# Altium PCB CONTROLLER_BASE.PcbDoc (part 4 of 7) (continued)
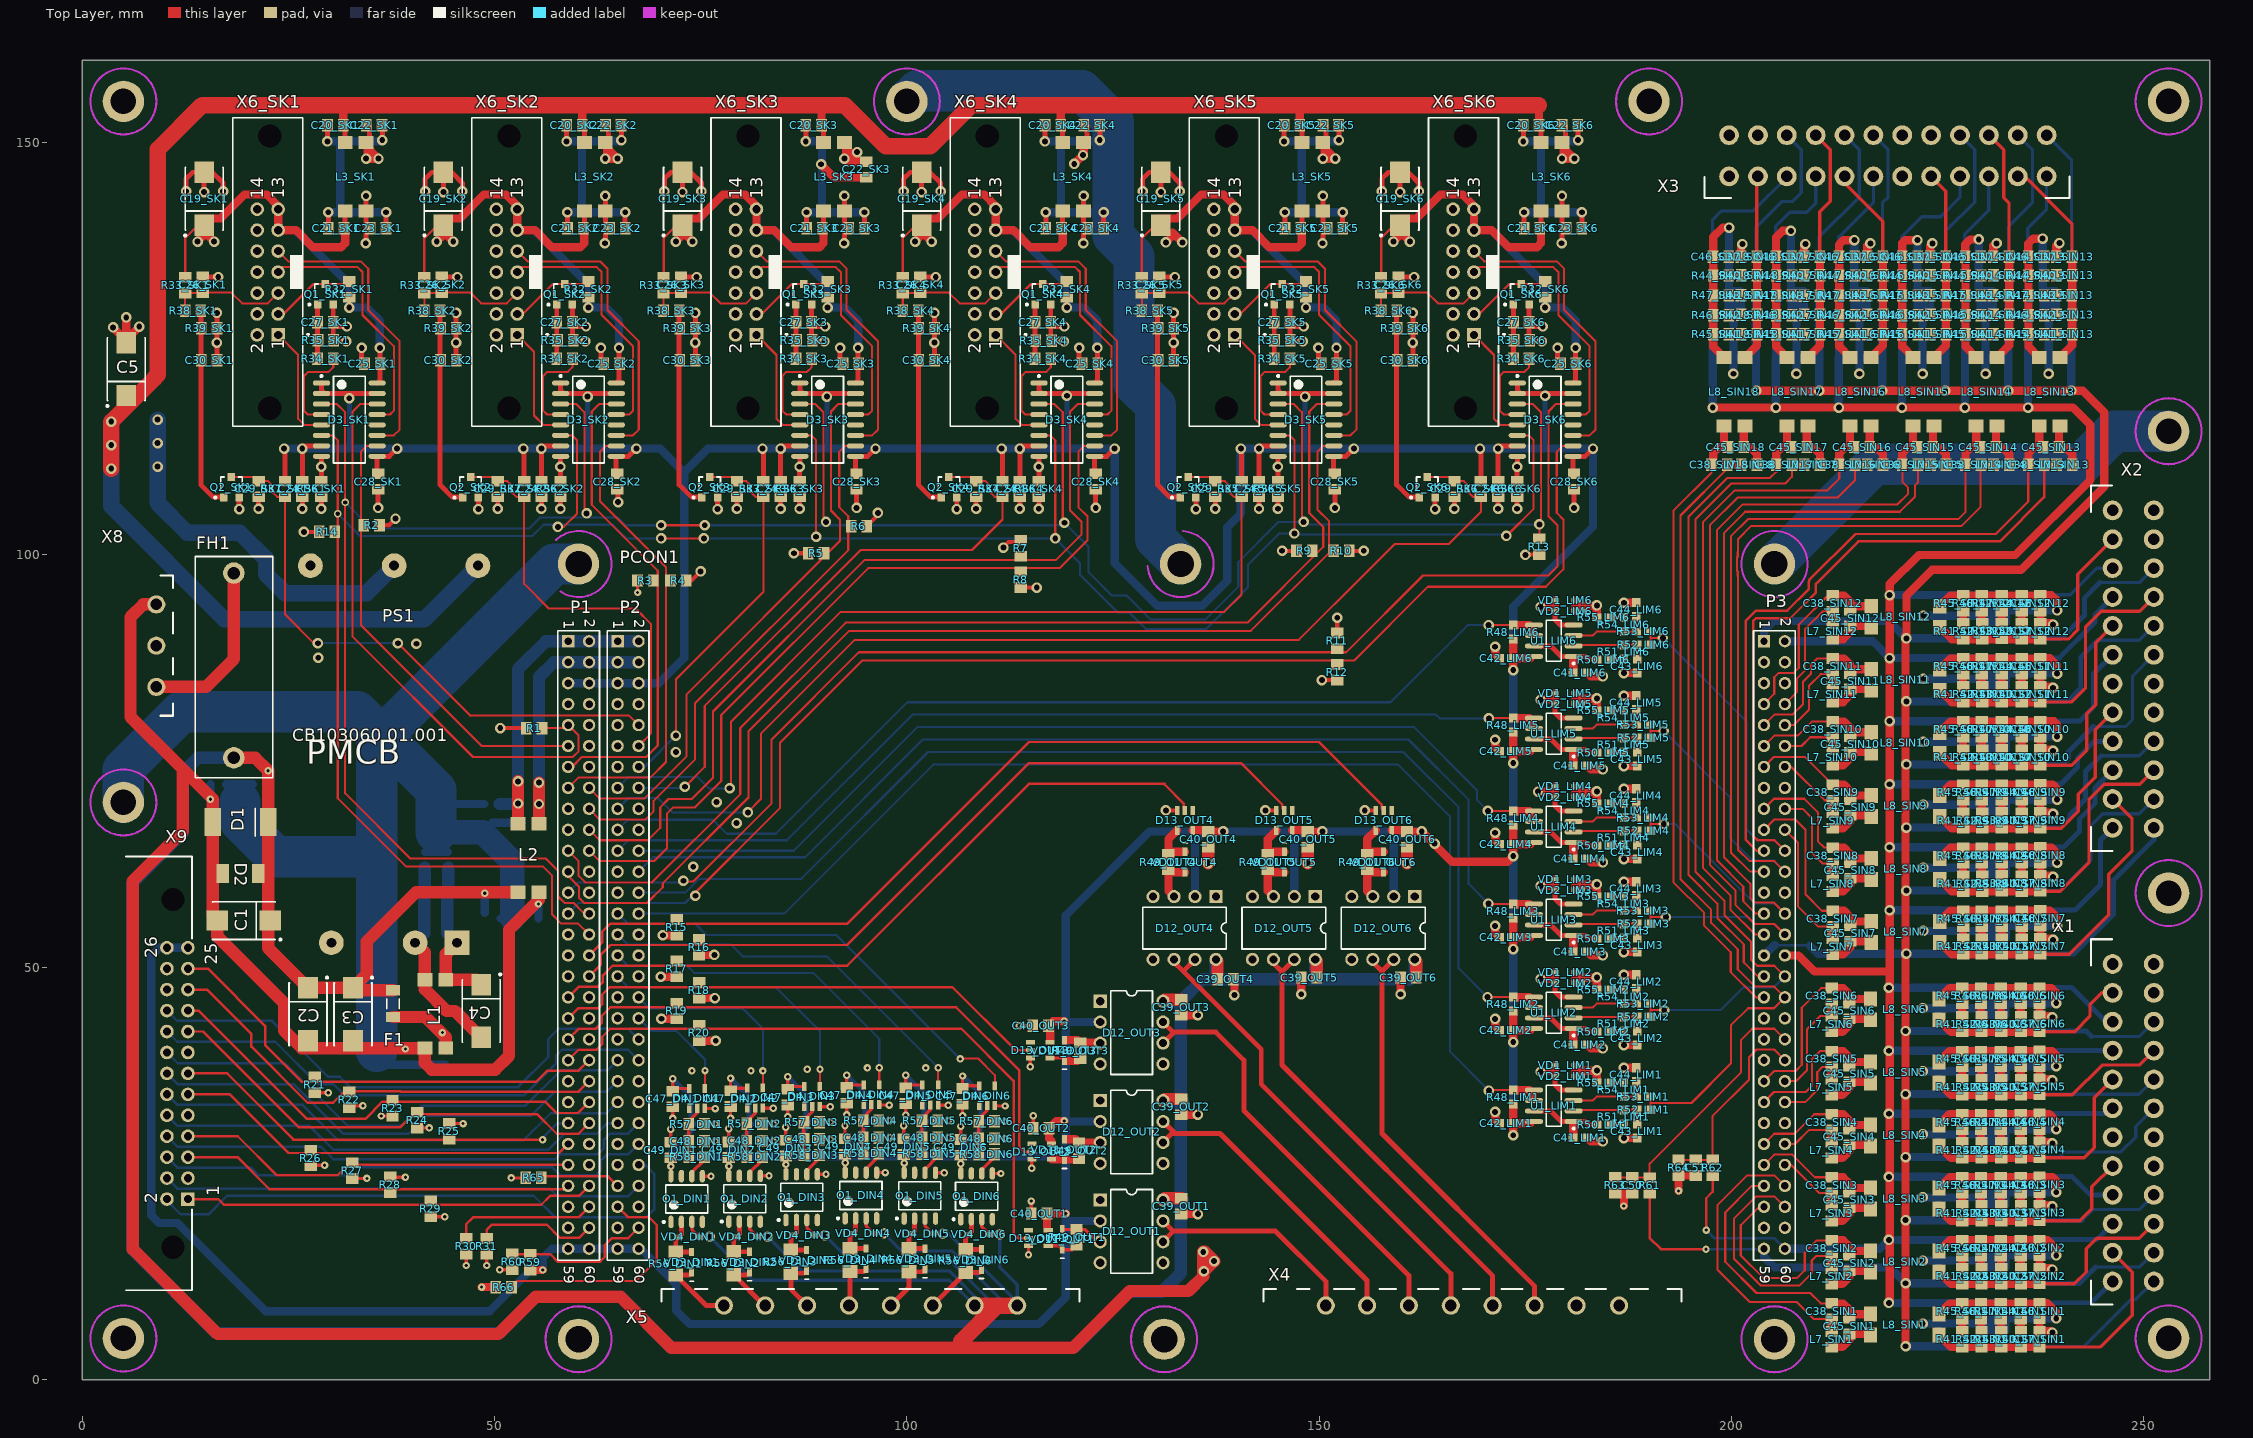
[diagram p0: Top Layer view]
## Nets (pads, with @x,y where several pads share a name; then routed paths per layer and width w, separated by ;. In a path a pad name is that pad's centre, name@x,y a point inside that pad or via, vN(x,y) a via of type N, cw(c..) or ccw(c..) an arc to the next point about the centre after c; other vN are vias at no path point) (continued)
  Top Layer w0.6: C21_SK5.2@147.9,139.75 L3_SK5.4@147.9,141.7 ; D3_SK5.16@151.775,120.845 152.1,121.17 v1(152.1,125.1)
  Top Layer w1: C19_SK5.1@130.4,140.8 132.8,140.8 135.7,143.7 138.4,143.7 139.77,142.33 X6_SK5.13@139.77,141.92 X6_SK5.11@139.77,139.38 141.92,139.38 144,137.3 147.4,137.3 147.9,137.8 C21_SK5.2@147.9,139.75 ; v1(131.407,137.903) 132.207,138.703 ; 132.207,139.103 v1(133.407,137.903)
  Bottom Layer w0.3: X6_SK5.11@139.77,139.23 X6_SK5.11@139.77,139.38
  Bottom Layer w1: X6_SK5.11@139.77,139.38 141.82,139.38 148.4,132.8 v1(148.4,130) 150.5,130 152.1,128.4 v1(152.1,125.1)
15VS_SK6: C19_SK6.1 C21_SK6.2 C25_SK6.2 D3_SK6.16 L3_SK6.4 R32_SK6.2 R33_SK6.2 X6_SK6.11 X6_SK6.13 | length 65.6
  Top Layer w0.3: R33_SK6.2@157.5,133.65 157.5,138.4 C19_SK6.1@159.791,140.691 ; v1(177.4,130) R32_SK6.2@177.4,131.25
  Top Layer w0.6: C21_SK6.2@176.9,139.75 L3_SK6.4@176.9,141.7 ; D3_SK6.16@180.775,120.845 181.1,121.17 v1(181.1,125.1)
  Top Layer w1: v1(159,138) C19_SK6.1@159.8,138.8 ; C19_SK6.1@159.4,140.8 161.8,140.8 164.7,143.7 167.4,143.7 168.77,142.33 X6_SK6.13@168.77,141.92 X6_SK6.11@168.77,139.38 170.92,139.38 173,137.3 176.4,137.3 176.9,137.8 C21_SK6.2@176.9,139.75 ; C19_SK6.1@159.8,139.2 v1(161,138)
  Bottom Layer w0.3: X6_SK6.11@168.77,139.23 X6_SK6.11@168.77,139.38
  Bottom Layer w1: X6_SK6.11@168.77,139.38 170.82,139.38 177.4,132.8 v1(177.4,130) 179.5,130 181.1,128.4 v1(181.1,125.1)
24V_DIN1: R56_DIN1.2 VD3_DIN1.2 X5.1 | length 9.4
  Top Layer w0.6: VD3_DIN1.2@73.914,12.979 73.612,12.677 R56_DIN1.2@71.984,12.677 75.669,8.992 X5.1@77.826,8.992
24V_DIN2: R56_DIN2.2 VD3_DIN2.2 X5.2 | length 7.4
  Top Layer w0.6: VD3_DIN2.2@80.943,13.012 80.64,12.71 R56_DIN2.2@79.012,12.71 82.73,8.992 X5.2@82.826,8.992
24V_DIN3: R56_DIN3.2 VD3_DIN3.2 X5.3 | length 6.8
  Top Layer w0.6: VD3_DIN3.2@87.859,13.208 87.556,12.906 R56_DIN3.2@85.928,12.906 85.928,10.969 X5.3@87.906,8.992
24V_DIN4: R56_DIN4.2 VD3_DIN4.2 X5.4 | length 6
  Top Layer w0.6: X5.4@93.111,9.117 R56_DIN4.2@93.111,13.103 94.739,13.103 VD3_DIN4.2@95.041,13.406
24V_DIN5: R56_DIN5.2 VD3_DIN5.2 X5.5 | length 7.1
  Top Layer w0.6: X5.5@98.066,8.992 100.254,11.18 R56_DIN5.2@100.254,13.083 101.882,13.083 VD3_DIN5.2@102.184,13.386
24V_DIN6: R56_DIN6.2 VD3_DIN6.2 X5.6 | length 7.7
  Top Layer w0.6: X5.6@103.146,8.992 103.146,9.005 R56_DIN6.2@107.137,12.996 108.765,12.996 VD3_DIN6.2@109.068,13.299
24V_DIN7: C1.2 C2.2 C3.2 C12.1 C14.2 C15.2 C39_OUT1.2 C39_OUT2.2 C39_OUT3.2 C39_OUT4.2 C39_OUT5.2 C39_OUT6.2 D1.A D2.1 D12_OUT1.5 D12_OUT2.5 D12_OUT3.5 D12_OUT4.5 D12_OUT5.5 D12_OUT6.5 L1.2 L2.1 O1_DIN1.3 O1_DIN2.3 O1_DIN3.3 O1_DIN4.3 O1_DIN5.3 O1_DIN6.3 VD4_DIN1.1 VD4_DIN2.1 VD4_DIN3.1 VD4_DIN4.1 VD4_DIN5.1 VD4_DIN6.1 X4.7 X4.8 X5.7 X5.8 X8.1 | length 509.6
  Top Layer w0.4: O1_DIN1.3@73.939,19.132 73.939,18.197 VD4_DIN1.1@74.834,17.303 v1(76.104,17.303) ; O1_DIN2.3@80.968,19.164 80.968,18.23 VD4_DIN2.1@81.862,17.335 v1(83.132,17.335) ; O1_DIN3.3@87.884,19.36 87.884,18.426 VD4_DIN3.1@88.778,17.531 v1(90.048,17.531) ; O1_DIN4.3@95.067,19.558 95.067,18.624 VD4_DIN4.1@95.961,17.729 v1(97.231,17.729) ; O1_DIN5.3@102.21,19.538 102.21,18.604 VD4_DIN5.1@103.104,17.709 v1(104.374,17.709) ; O1_DIN6.3@109.093,19.451 109.093,18.517 VD4_DIN6.1@109.987,17.622 v1(111.257,17.622)
  Top Layer w1: C39_OUT1.2@133.254,20.083 v1(135.283,20.083) ; C39_OUT2.2@133.254,32.133 v1(135.283,32.133) ; C39_OUT3.2@133.254,44.183 v1(135.283,44.183) ; v1(139.725,46.634) C39_OUT4.2@139.725,48.6 ; v1(147.82,46.733) C39_OUT5.2@147.82,48.762 ; v1(159.87,46.733) C39_OUT6.2@159.87,48.762
  Top Layer w1.5: X8.1@9,94 7.411,94 5.867,92.456 5.867,80.366 12.217,74.016 ; L2.1@55.4,59.1 55.4,58.194 51.765,54.559 51.765,39.268 50.089,37.592 42.393,37.592 41.56,38.425 L1.2@41.56,40.2 26.627,40.2 24.486,42.342 24.486,45.669 16.402,53.752 C1.2@16.402,55.667 15.85,56.22 D1.A@15.85,67.6 15.85,70.383 12.217,74.016 ; v1(136.019,13.152) 136.044,13.152 v1(137.264,14.371) 136.146,15.488 v1(135.943,15.488) 135.943,12.542 134.145,10.744 127.051,10.744 120.167,3.861 71.45,3.861 65.249,10.062 55.02,10.062 50.495,5.537 16.434,5.537 6.147,15.824 6.147,60.452 12.217,66.523 12.217,74.016
  Top Layer w2: 106.604,4.648 110.947,8.992 ; X5.7@108.226,8.992 110.947,8.992 ; X5.8@113.386,8.992 110.947,8.992
  Bottom Layer w0.4: v1(76.104,17.303) 81.342,12.065 105.152,12.065 X5.7@108.226,8.992 ; v1(83.132,17.335) 87.285,13.183 105.156,13.183 109.347,8.992 109.804,8.534 ; v1(90.048,17.531) 93.102,14.478 105.181,14.478 110.668,8.992 111.049,8.611 ; v1(97.231,17.729) 99.365,15.596 105.537,15.596 112.141,8.992 X5.8@113.386,8.992 X5.8@113.386,9.398 ; v1(104.374,17.709) 105.074,17.709 X5.8@113.386,9.398 ; v1(111.257,17.622) 111.257,13.609 113.386,11.481 X5.8@113.386,9.398
  Bottom Layer w1: v2(15.56,70.368) C14.2@15.56,72.187 ; v2(39.207,40.091) C12.1@41.58,40.091 ; C15.2@55.331,55.931 v2(55.331,57.673)
  Bottom Layer w2: X5.7@108.226,8.992 109.347,8.992 110.668,8.992 112.141,8.992
24V_DOUT1: D12_OUT1.6 D12_OUT1.7 X4.1 | length 27.5
  Top Layer w0.6: D12_OUT1.6@131.064,16.713 131.064,16.753 132.314,18.003 ; D12_OUT1.7@131.064,19.253 132.314,18.003 ; X4.1@150.8,8.992 150.8,11.913 144.709,18.003 132.314,18.003
24V_DOUT2: D12_OUT2.6 D12_OUT2.7 X4.2 | length 37.7
  Top Layer w0.6: D12_OUT2.6@131.064,28.763 132.14,29.839 132.528,29.839 ; D12_OUT2.7@131.064,31.303 132.528,29.839 ; X4.2@155.8,8.992 155.8,12.018 137.978,29.839 132.528,29.839
24V_DOUT3: D12_OUT3.6 D12_OUT3.7 X4.3 | length 51.6
  Top Layer w0.6: D12_OUT3.6@131.064,40.813 132.284,42.033 132.284,42.133 ; D12_OUT3.7@131.064,43.353 132.284,42.133 ; X4.3@160.88,8.992 160.88,12.628 140.868,32.639 140.868,38.735 137.47,42.133 132.284,42.133
24V_DOUT4: D12_OUT4.6 D12_OUT4.7 X4.4 | length 57.9
  Top Layer w0.6: D12_OUT4.6@132.4,50.952 132.4,50.625 133.506,49.519 ; D12_OUT4.7@134.94,50.952 133.506,49.519 ; X4.4@165.96,8.992 165.96,12.856 142.977,35.839 142.977,40.048 133.506,49.519
24V_DOUT5: D12_OUT5.6 D12_OUT5.7 X4.5 | length 55.1
  Top Layer w0.6: D12_OUT5.6@144.45,50.952 144.45,50.502 145.495,49.457 ; D12_OUT5.7@146.99,50.952 145.495,49.457 ; X4.5@171.04,8.992 171.04,12.602 145.495,38.147 145.495,49.457
24V_DOUT6: D12_OUT6.6 D12_OUT6.7 X4.6 | length 52.1
  Top Layer w0.6: D12_OUT6.6@156.5,50.952 156.5,50.634 157.611,49.523 ; D12_OUT6.7@159.04,50.952 157.611,49.523 ; X4.6@176.12,8.992 176.12,11.332 157.611,29.841 157.611,49.523
24VCPU: C18.1 L2.3 PCON1.P1_1 PCON1.P1_2 PCON1.P2_1 PCON1.P2_2 | length 39.6
  Top Layer w1.5: L2.3@52.86,67.4 v1(52.86,69.86) v1(52.86,72.54)
  Bottom Layer w1.5: C18.1@50.658,69.799 v1@52.799,69.799 ; v1(52.86,69.86) v1(52.86,72.54) 52.86,86.16 56.234,89.534 PCON1.P1_1@58.93,89.534 PCON1.P1_2@61.47,89.534 PCON1.P2_1@64.93,89.534 PCON1.P2_2@67.47,89.534
24VINT_OUT1: C1.1 C2.1 C3.1 C10.1 C17.1 C39_OUT1.1 C39_OUT2.1 C39_OUT3.1 C39_OUT4.1 C39_OUT5.1 C39_OUT6.1 D1.K D2.2 D12_OUT1.8 D12_OUT2.8 D12_OUT3.8 D12_OUT4.8 D12_OUT5.8 D12_OUT6.8 F1.1 FH1.2 L2.2 | length 369.2
  Top Layer w1.5: FH1.2@18.4,75.4 21,75.4 v2(22.55,73.85) D1.K@22.55,67.6 22.55,52.343 C2.1@27.391,47.502 C3.1@32.849,47.502 34.5,49.154 34.5,53.1 40.5,59.1 L2.2@52.86,59.1 ; C3.1@33.126,47.225 F1.1@37.7,47.225 ; D12_OUT1.8@131.254,21.983 C39_OUT1.1@133.254,21.983 ; D12_OUT2.8@131.254,34.033 C39_OUT2.1@133.254,34.033 ; D12_OUT3.8@131.254,46.083 C39_OUT3.1@133.254,46.083 ; C39_OUT4.1@137.67,48.762 D12_OUT4.8@137.67,50.762 ; C39_OUT5.1@149.72,48.762 D12_OUT5.8@149.72,50.762 ; C39_OUT6.1@161.77,48.762 D12_OUT6.8@161.77,50.762
  Bottom Layer w1: C10.1@22.55,72.253 v2(22.55,73.85) ; C17.1@48.834,56.617 v2(48.834,58.964)
  Bottom Layer w1.5: FH1.2@18.4,75.4 14,75.4 12.2,73.6 12.2,66.3 6.1,60.2 6.1,15.8 16.236,5.664 50.622,5.664 55.02,10.062 65.3,10.062 71.501,3.861 120.193,3.861 127,10.668 130.947,10.668 133.226,12.947 133.226,21.793 ; D12_OUT1.8@131.064,21.793 133.226,21.793 ; D12_OUT2.8@131.064,33.843 133.226,33.843 ; D12_OUT3.8@131.064,45.893 133.226,45.893 ; 133.444,33.843 133.226,33.843 ; 133.448,21.793 133.226,21.793 ; D12_OUT4.8@137.48,50.952 137.48,48.549 ; 149.53,48.871 D12_OUT5.8@149.53,50.952 ; 160.735,48.715 160.901,48.549 ; D12_OUT6.8@161.58,50.952 161.58,49.154 160.975,48.549 ; 133.226,21.793 133.226,33.843 ; 133.226,33.843 133.226,45.893 ; 133.226,45.893 135.882,48.549 137.48,48.549 ; 137.48,48.549 160.901,48.549 ; 160.901,48.549 160.938,48.512 160.975,48.549 ; 160.901,48.549 160.975,48.549
+15V: C32_SIN1.2 C32_SIN2.2 C32_SIN3.2 C32_SIN4.2 C32_SIN5.2 C32_SIN6.2 C32_SIN7.2 C32_SIN8.2 C32_SIN9.2 C32_SIN10.2 C32_SIN11.2 C32_SIN12.2 C32_SIN13.2 C32_SIN14.2 C32_SIN15.2 C32_SIN16.2 C32_SIN17.2 C32_SIN18.2 L4_SIN1.2 L4_SIN2.2 L4_SIN3.2 L4_SIN4.2 L4_SIN5.2 L4_SIN6.2 L4_SIN7.2 L4_SIN8.2 L4_SIN9.2 L4_SIN10.2 L4_SIN11.2 L4_SIN12.2 L4_SIN13.2 L4_SIN14.2 L4_SIN15.2 L4_SIN16.2 L4_SIN17.2 L4_SIN18.2 PCON1.P3_1 PCON1.P3_31 PCON1.P3_59 R61.2 | length 359.3
  Top Layer w0.3: R61.2@190.068,22.596 190.068,17.196 191.44,15.824 v2(196.901,15.824)
  Top Layer w1: v1(202.975,119.907) v1(210.62,119.907) v1(218.266,119.907) v1(225.911,119.907) v1(233.556,119.907) v1(241.202,119.907) 242.593,119.907 245.2,117.3 245.2,108.3 235.1,98.2 224.318,98.2 221.205,95.086 221.205,90.4 221.106,90.301 v1(221.106,42.275) v1(221.106,34.63) v1(221.106,26.984) v1(221.106,19.339) v1(221.106,11.694) v1(221.106,4.048)
  Bottom Layer w0.3: v2(196.901,15.824) 203.881,15.824 PCON1.P3_59@203.93,15.874 ; 205.237,52.68 209.398,52.68
  Bottom Layer w1: L4_SIN18.2@202.939,125.952 202.975,125.917 C32_SIN18.2@202.975,123.905 v1(202.975,119.907) ; PCON1.P3_59@203.93,15.874 203.93,14.87 205.2,13.6 219.2,13.6 v1(221.106,11.694) C32_SIN2.2@225.104,11.694 227.116,11.694 L4_SIN2.2@227.151,11.729 ; PCON1.P3_31@203.93,51.434 205.1,52.603 205.237,52.68 ; PCON1.P3_1@203.93,89.534 203.93,90.83 205.1,92 219.089,92 v1(221.205,89.884) C32_SIN12.2@225.203,89.884 227.214,89.884 L4_SIN12.2@227.25,89.92 ; 209.525,52.603 210.471,51.657 v1(221.205,51.657) C32_SIN7.2@225.203,51.657 227.214,51.657 L4_SIN7.2@227.25,51.693 ; L4_SIN17.2@210.585,125.952 210.62,125.917 C32_SIN17.2@210.62,123.905 v1(210.62,119.907) ; L4_SIN16.2@218.23,125.952 218.266,125.917 C32_SIN16.2@218.266,123.905 v1(218.266,119.907) ; v1(221.106,4.048) C32_SIN1.2@225.104,4.048 227.116,4.048 L4_SIN1.2@227.151,4.084 ; v1(221.106,19.339) C32_SIN3.2@225.104,19.339 227.116,19.339 L4_SIN3.2@227.151,19.375 ; v1(221.106,26.984) C32_SIN4.2@225.104,26.984 227.116,26.984 L4_SIN4.2@227.151,27.02 ; v1(221.106,34.63) C32_SIN5.2@225.104,34.63 227.116,34.63 L4_SIN5.2@227.151,34.665 ; v1(221.106,42.275) C32_SIN6.2@225.104,42.275 227.116,42.275 L4_SIN6.2@227.151,42.311 ; v1(221.205,59.303) C32_SIN8.2@225.203,59.303 227.214,59.303 L4_SIN8.2@227.25,59.338 ; v1(221.205,66.948) C32_SIN9.2@225.203,66.948 227.214,66.948 L4_SIN9.2@227.25,66.984 ; v1(221.205,74.594) C32_SIN10.2@225.203,74.594 227.214,74.594 L4_SIN10.2@227.25,74.629 ; v1(221.205,82.239) C32_SIN11.2@225.203,82.239 227.214,82.239 L4_SIN11.2@227.25,82.275 ; L4_SIN15.2@225.875,125.952 225.911,125.917 v1(225.911,119.907) ; L4_SIN14.2@233.521,125.952 233.556,125.917 C32_SIN14.2@233.556,123.905 v1(233.556,119.907) ; L4_SIN13.2@241.166,125.952 241.202,125.917 C32_SIN13.2@241.202,123.905 v1(241.202,119.907)
+15VS_SIN1: C31_SIN1.2 C33_SIN1.2 L4_SIN1.1 X1.2 | length 25.4
  Bottom Layer w0.4: 237.804,4.023 242.757,4.023 248.463,9.728 249.028,9.728 X1.2@251.2,11.9
  Bottom Layer w0.6: C33_SIN1.2@233.181,4.023 237.804,4.023
  Bottom Layer w1: L4_SIN1.1@229.051,4.084 229.112,4.023 C31_SIN1.2@231.2,4.023 C33_SIN1.2@233.181,4.023
+15VS_SIN2: C31_SIN2.2 C33_SIN2.2 L4_SIN2.1 X1.4 | length 23.7
  Bottom Layer w0.4: 244.13,13.65 249.45,13.65 X1.4@251.2,15.4
  Bottom Layer w0.6: C33_SIN2.2@233.181,11.668 242.148,11.668 244.13,13.65
  Bottom Layer w1: L4_SIN2.1@229.051,11.729 229.112,11.668 C31_SIN2.2@231.2,11.668 C33_SIN2.2@233.181,11.668
+15VS_SIN3: C31_SIN3.2 C33_SIN3.2 L4_SIN3.1 X1.8 | length 23.5
  Bottom Layer w0.4: 242.478,19.314 243.789,20.625 249.425,20.625 X1.8@251.2,22.4
  Bottom Layer w0.6: C33_SIN3.2@233.181,19.314 242.478,19.314
  Bottom Layer w1: L4_SIN3.1@229.051,19.375 229.112,19.314 C31_SIN3.2@231.2,19.314 C33_SIN3.2@233.181,19.314
+15VS_SIN4: C31_SIN4.2 C33_SIN4.2 L4_SIN4.1 X1.14 | length 25.4
  Bottom Layer w0.4: 237.804,26.959 239.775,26.959 240.426,27.61 247.218,27.61 248.996,29.388 248.996,30.696 X1.14@251.2,32.9
  Bottom Layer w0.6: C33_SIN4.2@233.181,26.959 237.804,26.959
  Bottom Layer w1: L4_SIN4.1@229.051,27.02 229.112,26.959 C31_SIN4.2@231.2,26.959 C33_SIN4.2@233.181,26.959
+15VS_SIN5: C31_SIN5.2 C33_SIN5.2 L4_SIN5.1 X1.16 | length 22.9
  Bottom Layer w0.4: 237.804,34.604 249.404,34.604 X1.16@251.2,36.4
  Bottom Layer w0.6: C33_SIN5.2@233.181,34.604 237.804,34.604
  Bottom Layer w1: L4_SIN5.1@229.051,34.665 229.112,34.604 C31_SIN5.2@231.2,34.604 C33_SIN5.2@233.181,34.604
+15VS_SIN6: C31_SIN6.2 C33_SIN6.2 L4_SIN6.1 X1.20 | length 23.2
  Bottom Layer w0.4: 243.662,41.605 249.405,41.605 X1.20@251.2,43.4
  Bottom Layer w0.6: C33_SIN6.2@233.181,42.25 243.018,42.25 243.662,41.605
  Bottom Layer w1: L4_SIN6.1@229.051,42.311 229.112,42.25 C31_SIN6.2@231.2,42.25 C33_SIN6.2@233.181,42.25
+15VS_SIN7: C31_SIN7.2 C33_SIN7.2 L4_SIN7.1 X2.2 | length 31.7
  Bottom Layer w0.6: C33_SIN7.2@233.28,51.632 241.548,51.632 246.329,56.413 246.329,60.579 251.2,65.45 X2.2@251.2,66.9
  Bottom Layer w1: L4_SIN7.1@229.15,51.693 229.211,51.632 C31_SIN7.2@231.299,51.632 C33_SIN7.2@233.28,51.632
+15VS_SIN8: C31_SIN8.2 C33_SIN8.2 L4_SIN8.1 X2.4 | length 29.2
  Bottom Layer w0.4: 237.903,59.277 239.874,59.277 243.561,62.964 243.561,67.183 245.008,68.631 249.431,68.631 X2.4@251.2,70.4
  Bottom Layer w0.6: C33_SIN8.2@233.28,59.277 237.903,59.277
  Bottom Layer w1: L4_SIN8.1@229.15,59.338 229.211,59.277 C31_SIN8.2@231.299,59.277 C33_SIN8.2@233.28,59.277
+15VS_SIN9: C31_SIN9.2 C33_SIN9.2 L4_SIN9.1 X2.8 | length 28.6
  Bottom Layer w0.4: 244.839,75.65 249.45,75.65 X2.8@251.2,77.4
  Bottom Layer w0.6: C33_SIN9.2@233.28,66.923 239.871,66.923 241.046,68.097 241.046,68.504 242.926,70.383 242.926,73.736 244.839,75.65
  Bottom Layer w1: L4_SIN9.1@229.15,66.984 229.211,66.923 C31_SIN9.2@231.299,66.923 C33_SIN9.2@233.28,66.923
+15VS_SIN10: C31_SIN10.2 C33_SIN10.2 L4_SIN10.1 X2.14 | length 31.2
  Bottom Layer w0.4: 243.891,79.197 247.777,79.197 248.615,80.035 248.615,85.315 X2.14@251.2,87.9
  Bottom Layer w0.6: C33_SIN10.2@233.28,74.568 240.125,74.568 240.868,75.311 240.868,76.175 243.891,79.197
  Bottom Layer w1: L4_SIN10.1@229.15,74.629 229.211,74.568 C31_SIN10.2@231.299,74.568 C33_SIN10.2@233.28,74.568
+15VS_SIN11: C31_SIN11.2 C33_SIN11.2 L4_SIN11.1 X2.16 | length 28.1
  Bottom Layer w0.4: 244.387,89.65 249.45,89.65 X2.16@251.2,91.4
  Bottom Layer w0.6: C33_SIN11.2@233.28,82.214 240.684,82.214 242.341,83.871 242.341,87.605 244.387,89.65
  Bottom Layer w1: L4_SIN11.1@229.15,82.275 229.211,82.214 C31_SIN11.2@231.299,82.214 C33_SIN11.2@233.28,82.214
+15VS_SIN12: C31_SIN12.2 C33_SIN12.2 L4_SIN12.1 X2.20 | length 26.8
  Bottom Layer w0.4: 244.656,96.65 249.45,96.65 X2.20@251.2,98.4
  Bottom Layer w0.6: C33_SIN12.2@233.28,89.859 239.973,89.859 242.773,92.659 242.773,94.767 244.656,96.65
  Bottom Layer w1: L4_SIN12.1@229.15,89.92 229.211,89.859 C31_SIN12.2@231.299,89.859 C33_SIN12.2@233.28,89.859
+15VS_SIN13: C31_SIN13.2 C33_SIN13.2 L4_SIN13.1 X3.2 | length 24.3
  Bottom Layer w0.4: X3.2@238.2,150.9 241.227,147.873 241.227,136.605
  Bottom Layer w0.6: C33_SIN13.2@241.227,131.982 241.227,136.605
  Bottom Layer w1: L4_SIN13.1@241.166,127.852 241.227,127.913 C31_SIN13.2@241.227,130.001 C33_SIN13.2@241.227,131.982
+15VS_SIN14: C31_SIN14.2 C33_SIN14.2 L4_SIN14.1 X3.4 | length 25
  Bottom Layer w0.4: 233.582,136.605 233.582,139.83 236.499,142.748 236.499,149.101 X3.4@234.7,150.9
  Bottom Layer w0.6: C33_SIN14.2@233.582,131.982 233.582,136.605
  Bottom Layer w1: L4_SIN14.1@233.521,127.852 233.582,127.913 C31_SIN14.2@233.582,130.001 C33_SIN14.2@233.582,131.982
+15VS_SIN15: C31_SIN15.2 C33_SIN15.2 L4_SIN15.1 X3.8 | length 25.3
  Bottom Layer w0.4: 225.936,136.605 225.936,139.221 229.489,142.773 229.489,149.111 X3.8@227.7,150.9
  Bottom Layer w0.6: C33_SIN15.2@225.936,131.982 225.936,136.605
  Bottom Layer w1: L4_SIN15.1@225.875,127.852 225.936,127.913 C31_SIN15.2@225.936,130.001 C33_SIN15.2@225.936,131.982
+15VS_SIN16: C31_SIN16.2 C33_SIN16.2 L4_SIN16.1 X3.14 | length 24.1
  Bottom Layer w0.4: X3.14@217.2,150.9 218.973,149.127 218.973,143.358 218.291,142.675 218.291,136.605
  Bottom Layer w0.6: C33_SIN16.2@218.291,131.982 218.291,136.605
  Bottom Layer w1: L4_SIN16.1@218.23,127.852 218.291,127.913 C31_SIN16.2@218.291,130.001 C33_SIN16.2@218.291,131.982
+15VS_SIN17: C31_SIN17.2 C33_SIN17.2 L4_SIN17.1 X3.16 | length 25.8
  Bottom Layer w0.4: 210.646,136.605 210.646,138.576 215.468,143.399 215.468,149.132 X3.16@213.7,150.9
  Bottom Layer w0.6: C33_SIN17.2@210.646,131.982 210.646,136.605
  Bottom Layer w1: L4_SIN17.1@210.585,127.852 210.646,127.913 C31_SIN17.2@210.646,130.001 C33_SIN17.2@210.646,131.982
+15VS_SIN18: C31_SIN18.2 C33_SIN18.2 L4_SIN18.1 X3.20 | length 26.8
  Bottom Layer w0.4: 203,136.605 203,139.754 206.096,142.85 207.366,142.85 208.458,143.942 208.458,149.142 X3.20@206.7,150.9
  Bottom Layer w0.6: C33_SIN18.2@203,131.982 203,136.605
  Bottom Layer w1: L4_SIN18.1@202.939,127.852 203,127.913 C31_SIN18.2@203,130.001 C33_SIN18.2@203,131.982
-15V: C34_SIN1.1 C34_SIN2.1 C34_SIN3.1 C34_SIN4.1 C34_SIN5.1 C34_SIN6.1 C34_SIN7.1 C34_SIN8.1 C34_SIN9.1 C34_SIN10.1 C34_SIN11.1 C34_SIN12.1 C34_SIN13.1 C34_SIN14.1 C34_SIN15.1 C34_SIN16.1 C34_SIN17.1 C34_SIN18.1 L6_SIN1.2 L6_SIN2.2 L6_SIN3.2 L6_SIN4.2 L6_SIN5.2 L6_SIN6.2 L6_SIN7.2 L6_SIN8.2 L6_SIN9.2 L6_SIN10.2 L6_SIN11.2 L6_SIN12.2 L6_SIN13.2 L6_SIN14.2 L6_SIN15.2 L6_SIN16.2 L6_SIN17.2 L6_SIN18.2 PCON1.P3_2 PCON1.P3_32 PCON1.P3_60 R62.2 | length 372.9
  Top Layer w0.3: v2(196.926,18.136) 196.926,21.996 197.714,22.784 R62.2@197.714,24.755
  Top Layer w1: v1(197.722,117.87) v1(205.367,117.87) v1(213.013,117.87) v1(220.658,117.87) v1(228.304,117.87) v1(235.949,117.87) 241.385,117.87 243.5,115.755 243.5,109.1 234.4,100 222.7,100 219.168,96.468 v1(219.168,95.137) v1(219.168,87.492) v1(219.168,79.846) v1(219.168,72.201) v1(219.168,64.556) v1(219.168,56.91) 219.168,9.4 v1(219.069,9.301) ; PCON1.P3_32@206.47,51.434 208.129,51.434 210.058,49.505 219.142,49.505
  Bottom Layer w0.3: v2(196.926,18.136) 197.942,17.12 205.225,17.12 PCON1.P3_60@206.47,15.874
  Bottom Layer w1: v1(197.722,117.87) C34_SIN18.1@197.722,123.905 ; C34_SIN18.1@197.732,123.915 L6_SIN18.2@197.732,125.952 ; v1(205.367,117.87) C34_SIN17.1@205.367,123.905 ; C34_SIN17.1@205.378,123.915 L6_SIN17.2@205.378,125.952 ; PCON1.P3_60@206.47,15.874 217.997,15.874 v1(219.069,16.946) C34_SIN2.1@225.104,16.946 ; PCON1.P3_2@206.47,89.534 217.126,89.534 v1(219.168,87.492) C34_SIN11.1@225.203,87.492 ; v1(213.013,117.87) C34_SIN16.1@213.013,123.905 ; C34_SIN16.1@213.023,123.915 L6_SIN16.2@213.023,125.952 ; v1(219.069,9.301) C34_SIN1.1@225.104,9.301 ; v1(219.069,24.592) C34_SIN3.1@225.104,24.592 ; v1(219.069,32.237) C34_SIN4.1@225.104,32.237 ; v1(219.069,39.883) C34_SIN5.1@225.104,39.883 ; v1(219.069,47.528) C34_SIN6.1@225.104,47.528 ; v1(219.168,56.91) C34_SIN7.1@225.203,56.91 ; v1(219.168,64.556) C34_SIN8.1@225.203,64.556 ; v1(219.168,72.201) C34_SIN9.1@225.203,72.201 ; v1(219.168,79.846) C34_SIN10.1@225.203,79.846 ; v1(219.168,95.137) C34_SIN12.1@225.203,95.137 ; v1(220.658,117.87) C34_SIN15.1@220.658,123.905 ; C34_SIN15.1@220.668,123.915 L6_SIN15.2@220.668,125.952 ; C34_SIN1.1@225.114,9.291 L6_SIN1.2@227.151,9.291 ; C34_SIN2.1@225.114,16.936 L6_SIN2.2@227.151,16.936 ; C34_SIN3.1@225.114,24.582 L6_SIN3.2@227.151,24.582 ; C34_SIN4.1@225.114,32.227 L6_SIN4.2@227.151,32.227 ; C34_SIN5.1@225.114,39.872 L6_SIN5.2@227.151,39.872 ; C34_SIN6.1@225.114,47.518 L6_SIN6.2@227.151,47.518 ; C34_SIN7.1@225.213,56.9 L6_SIN7.2@227.25,56.9 ; C34_SIN8.1@225.213,64.545 L6_SIN8.2@227.25,64.545 ; C34_SIN9.1@225.213,72.191 L6_SIN9.2@227.25,72.191 ; C34_SIN10.1@225.213,79.836 L6_SIN10.2@227.25,79.836 ; C34_SIN11.1@225.213,87.482 L6_SIN11.2@227.25,87.482 ; C34_SIN12.1@225.213,95.127 L6_SIN12.2@227.25,95.127 ; v1(228.304,117.87) C34_SIN14.1@228.304,123.905 ; C34_SIN14.1@228.314,123.915 L6_SIN14.2@228.314,125.952 ; v1(235.949,117.87) C34_SIN13.1@235.949,123.905 ; C34_SIN13.1@235.959,123.915 L6_SIN13.2@235.959,125.952
-15VS_SIN1: C35_SIN1.1 C36_SIN1.1 L6_SIN1.1 X1.1 | length 18.2
  Bottom Layer w0.6: C36_SIN1.1@233.181,9.326 243.626,9.326 X1.1@246.2,11.9
  Bottom Layer w1: L6_SIN1.1@229.051,9.291 233.146,9.291 C36_SIN1.1@233.181,9.326
-15VS_SIN2: C35_SIN2.1 C36_SIN2.1 L6_SIN2.1 X1.5 | length 18
  Bottom Layer w0.6: C36_SIN2.1@233.181,16.972 244.272,16.972 X1.5@246.2,18.9
  Bottom Layer w1: L6_SIN2.1@229.051,16.936 233.146,16.936 C36_SIN2.1@233.181,16.972
-15VS_SIN3: C35_SIN3.1 C36_SIN3.1 L6_SIN3.1 X1.7 | length 18.1
  Bottom Layer w0.6: C36_SIN3.1@233.181,24.617 241.295,24.617 243.513,22.4 X1.7@246.2,22.4
  Bottom Layer w1: L6_SIN3.1@229.051,24.582 233.146,24.582 C36_SIN3.1@233.181,24.617
-15VS_SIN4: C35_SIN4.1 C36_SIN4.1 L6_SIN4.1 X1.13 | length 17.4
  Bottom Layer w0.6: C36_SIN4.1@233.181,32.263 245.563,32.263 X1.13@246.2,32.9
  Bottom Layer w1: L6_SIN4.1@229.051,32.227 233.146,32.227 C36_SIN4.1@233.181,32.263
-15VS_SIN5: C35_SIN5.1 C36_SIN5.1 L6_SIN5.1 X1.17 | length 17.2
  Bottom Layer w0.6: C36_SIN5.1@233.181,39.908 246.192,39.908 X1.17@246.2,39.9
  Bottom Layer w1: L6_SIN5.1@229.051,39.872 233.146,39.872 C36_SIN5.1@233.181,39.908
-15VS_SIN6: C35_SIN6.1 C36_SIN6.1 L6_SIN6.1 X1.19 | length 18.9
  Bottom Layer w0.6: C36_SIN6.1@233.181,47.553 241.245,47.553 245.398,43.4 X1.19@246.2,43.4
  Bottom Layer w1: L6_SIN6.1@229.051,47.518 233.146,47.518 C36_SIN6.1@233.181,47.553
-15VS_SIN7: C35_SIN7.1 C36_SIN7.1 L6_SIN7.1 X2.1 | length 24.4
  Bottom Layer w0.6: C36_SIN7.1@233.28,56.936 241.644,56.936 244.729,60.02 244.729,65.429 X2.1@246.2,66.9
  Bottom Layer w1: L6_SIN7.1@229.15,56.9 233.244,56.9 C36_SIN7.1@233.28,56.936
-15VS_SIN8: C35_SIN8.1 C36_SIN8.1 L6_SIN8.1 X2.5 | length 22.9
  Bottom Layer w0.6: C36_SIN8.1@233.28,64.581 240.273,64.581 242.164,66.472 242.164,67.97 244.043,69.85 244.043,71.743 X2.5@246.2,73.9
  Bottom Layer w1: L6_SIN8.1@229.15,64.545 233.244,64.545 C36_SIN8.1@233.28,64.581
-15VS_SIN9: C35_SIN9.1 C36_SIN9.1 L6_SIN9.1 X2.7 | length 19.9
  Bottom Layer w0.6: C36_SIN9.1@233.28,72.226 239.943,72.226 241.935,74.219 241.935,75.336 243.999,77.4 X2.7@246.2,77.4
  Bottom Layer w1: L6_SIN9.1@229.15,72.191 233.244,72.191 C36_SIN9.1@233.28,72.226
-15VS_SIN10: C35_SIN10.1 C36_SIN10.1 L6_SIN10.1 X2.13 | length 22.8
  Bottom Layer w0.6: C36_SIN10.1@233.28,79.872 242.203,79.872 243.865,81.534 243.865,85.565 X2.13@246.2,87.9
  Bottom Layer w1: L6_SIN10.1@229.15,79.836 233.244,79.836 C36_SIN10.1@233.28,79.872
-15VS_SIN11: C35_SIN11.1 C36_SIN11.1 L6_SIN11.1 X2.17 | length 20.7
  Bottom Layer w0.6: C36_SIN11.1@233.28,87.517 239.739,87.517 244.069,91.846 244.069,92.769 X2.17@246.2,94.9
  Bottom Layer w1: L6_SIN11.1@229.15,87.482 233.244,87.482 C36_SIN11.1@233.28,87.517
-15VS_SIN12: C35_SIN12.1 C36_SIN12.1 L6_SIN12.1 X2.19 | length 18.4
  Bottom Layer w0.4: 237.903,95.163 241.06,95.163 244.298,98.4 X2.19@246.2,98.4
  Bottom Layer w0.6: C36_SIN12.1@233.28,95.163 237.903,95.163
  Bottom Layer w1: L6_SIN12.1@229.15,95.127 233.244,95.127 C36_SIN12.1@233.28,95.163
-15VS_SIN13: C35_SIN13.1 C36_SIN13.1 L6_SIN13.1 X3.1 | length 19
  Bottom Layer w0.4: 235.924,136.605 235.924,139.632 238.2,141.909 X3.1@238.2,145.9
  Bottom Layer w0.6: C36_SIN13.1@235.924,131.982 235.924,136.605
  Bottom Layer w1: C36_SIN13.1@235.924,131.982 235.959,131.947 L6_SIN13.1@235.959,127.852
-15VS_SIN14: C35_SIN14.1 C36_SIN14.1 L6_SIN14.1 X3.5 | length 19.3
  Bottom Layer w0.4: 228.278,136.605 228.278,138.87 231.2,141.792 X3.5@231.2,145.9
  Bottom Layer w0.6: C36_SIN14.1@228.278,131.982 228.278,136.605
  Bottom Layer w1: C36_SIN14.1@228.278,131.982 228.314,131.947 L6_SIN14.1@228.314,127.852
-15VS_SIN15: C35_SIN15.1 C36_SIN15.1 L6_SIN15.1 X3.7 | length 22.3
  Bottom Layer w0.4: 220.633,136.605 220.633,138.591 223.063,141.021 225.374,141.021 227.7,143.347 X3.7@227.7,145.9
  Bottom Layer w0.6: C36_SIN15.1@220.633,131.982 220.633,136.605
  Bottom Layer w1: C36_SIN15.1@220.633,131.982 220.668,131.947 L6_SIN15.1@220.668,127.852
-15VS_SIN16: C35_SIN16.1 C36_SIN16.1 L6_SIN16.1 X3.13 | length 19.9
  Bottom Layer w0.4: 212.987,136.605 212.987,138.576 213.074,138.576 217.2,142.702 X3.13@217.2,145.9
  Bottom Layer w0.6: C36_SIN16.1@212.987,131.982 212.987,136.605
  Bottom Layer w1: C36_SIN16.1@212.987,131.982 213.023,131.947 L6_SIN16.1@213.023,127.852
-15VS_SIN17: C35_SIN17.1 C36_SIN17.1 L6_SIN17.1 X3.17 | length 21.3
  Bottom Layer w0.4: 205.342,136.605 205.342,139.835 207.061,141.554 209.093,141.554 210.2,142.661 X3.17@210.2,145.9
  Bottom Layer w0.6: C36_SIN17.1@205.342,131.982 205.342,136.605
  Bottom Layer w1: C36_SIN17.1@205.342,131.982 205.378,131.947 L6_SIN17.1@205.378,127.852
-15VS_SIN18: C35_SIN18.1 C36_SIN18.1 L6_SIN18.1 X3.19 | length 24.1
  Bottom Layer w0.4: 197.697,136.605 197.697,140.623 198.78,141.707 202.641,141.707 206.7,145.765 X3.19@206.7,145.9
  Bottom Layer w0.6: C36_SIN18.1@197.697,131.982 197.697,136.605
  Bottom Layer w1: C36_SIN18.1@197.697,131.982 197.732,131.947 L6_SIN18.1@197.732,127.852